# Allegro board MB1167.brd (continued)
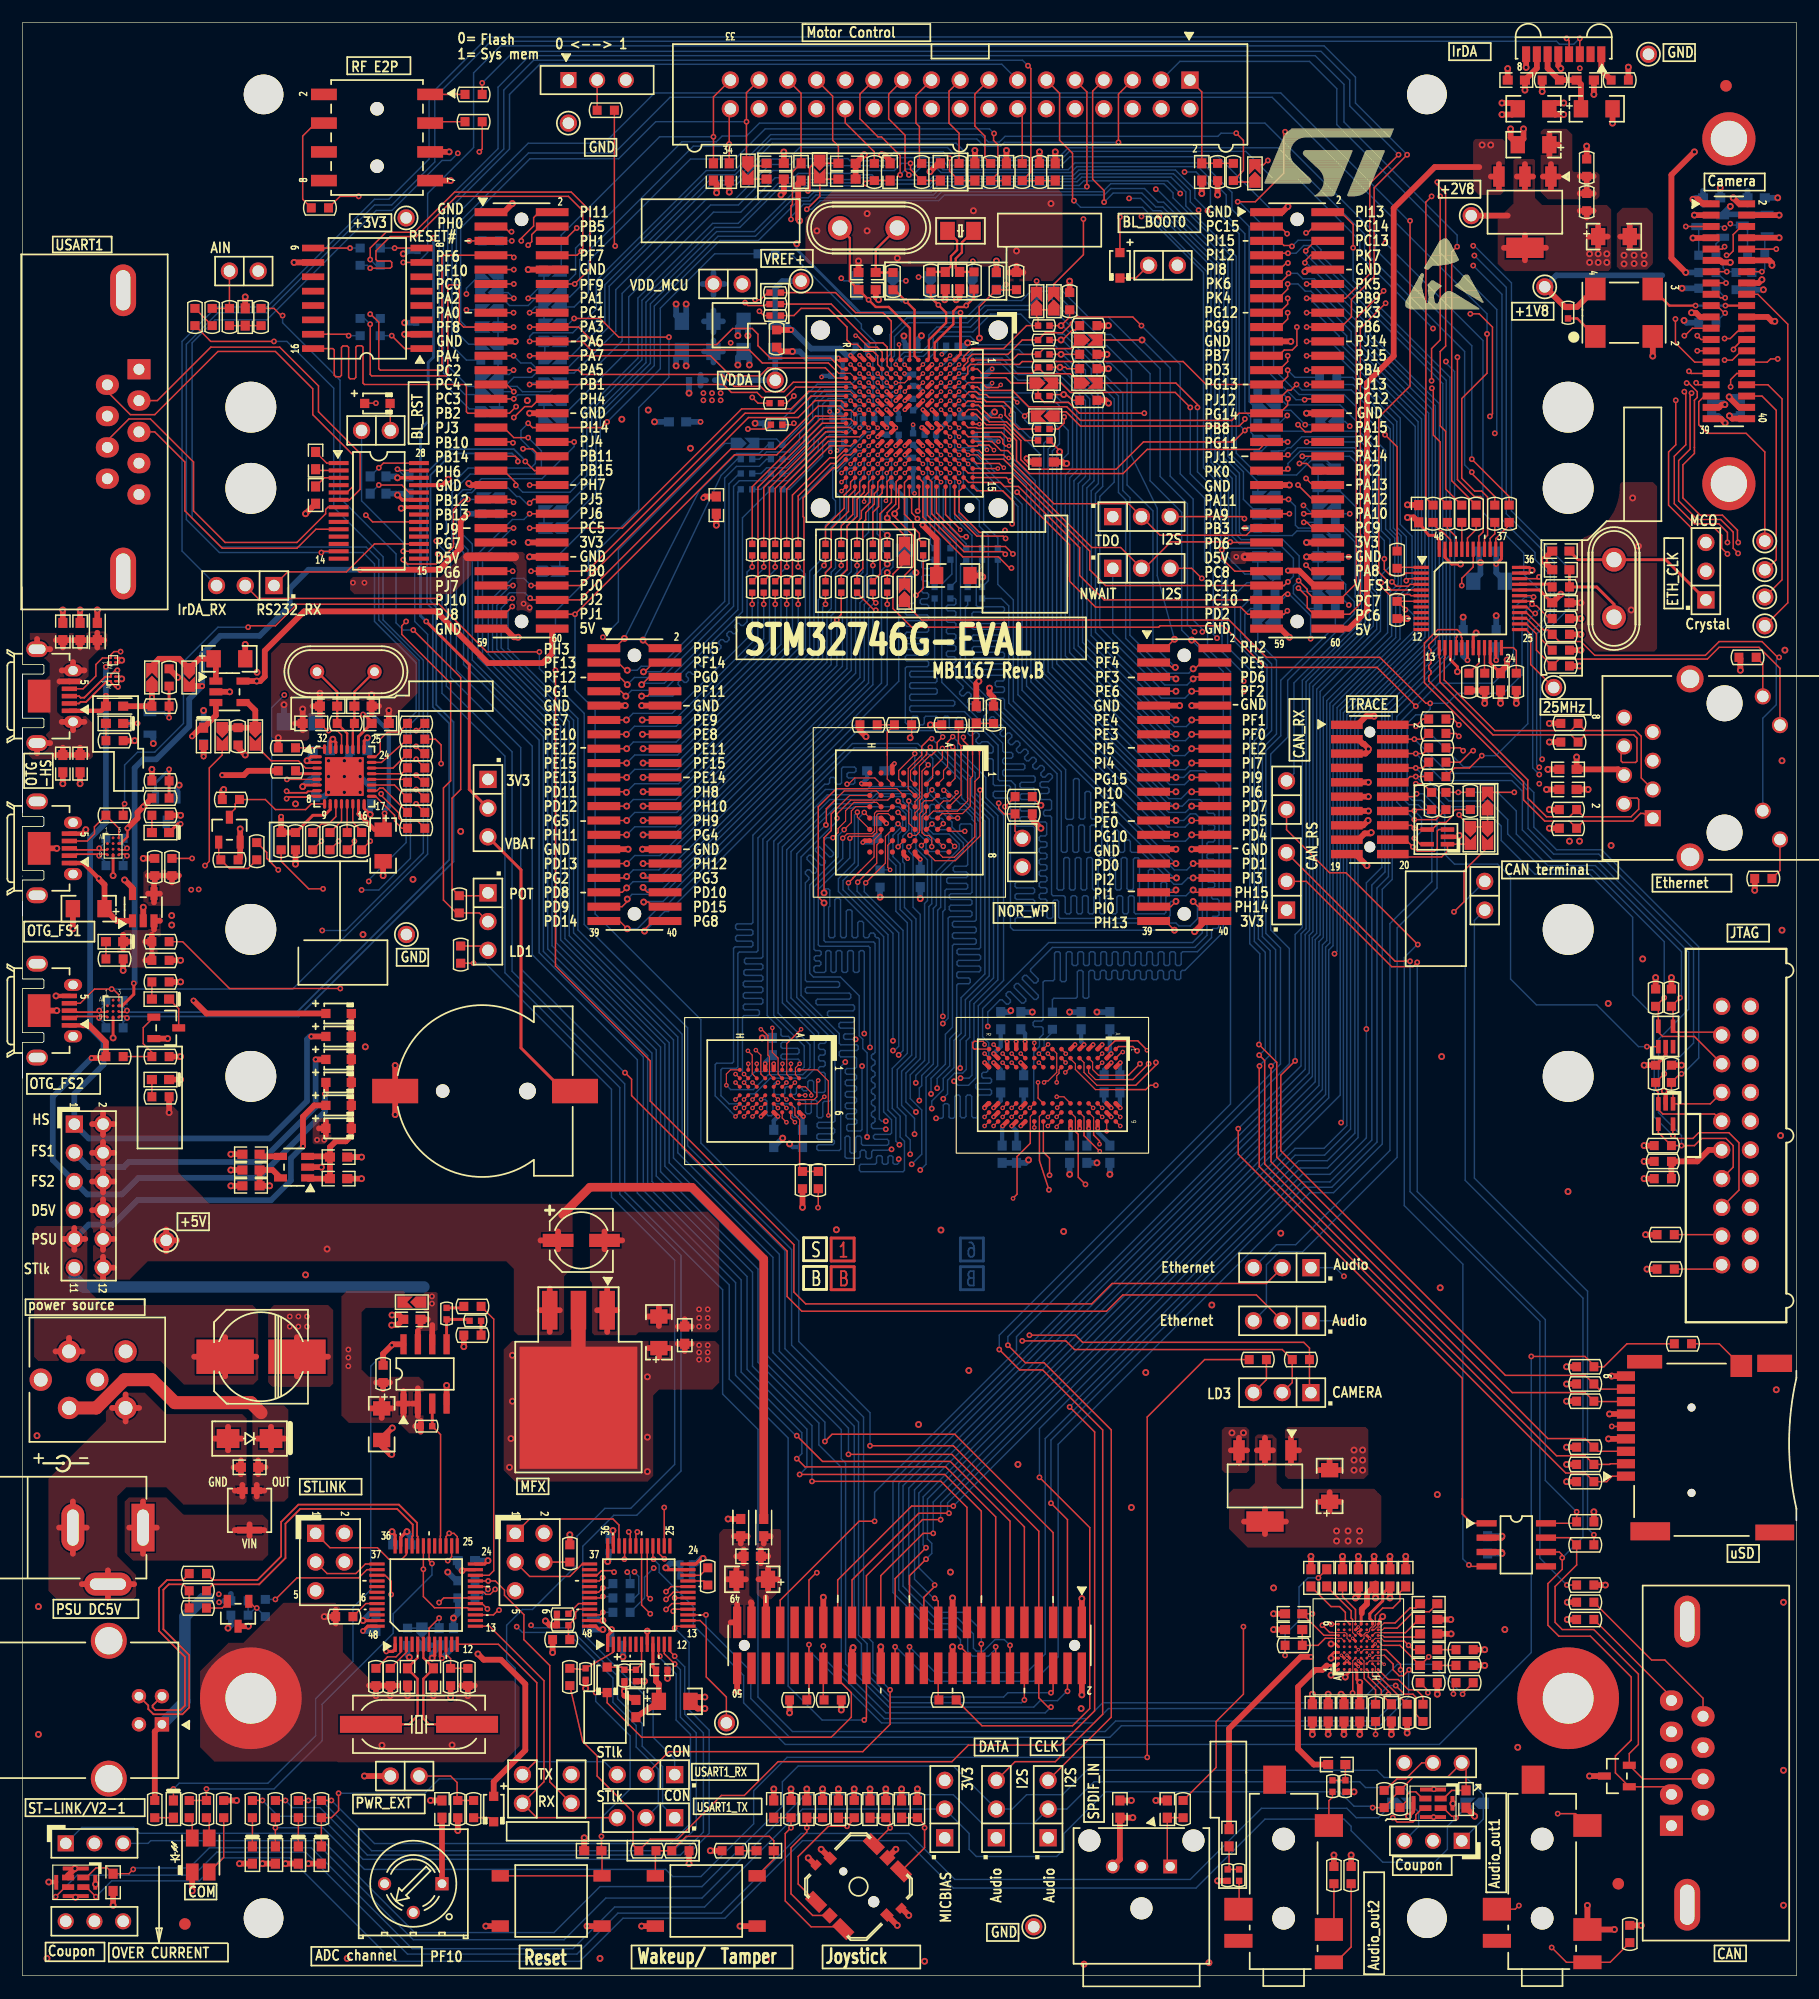
[diagram p0: board, top side]
## Routing (per net, layer and track width the routed paths; a pad name or vN(x,y) marks a point on that pad's centre or on a via; arc(x,y) is an arc through that point) (continued)
NETR47_1: length 2.4
  TOP w0.127: U6.44 127.27,128.51 R47.1
NETR47_2: length 127.9
  TOP w0.127: v1(125.09,158.62) 125.09,158.37 125.83,157.63 125.83,144.12 125.35,143.64 125.35,137.06 125.83,136.58 125.83,131.47 R47.2
  L4_SIG w0.102: v1(125.09,158.62) 103.89,158.62 102.87,157.61 v1(102.36,157.61)
  BOTTOM w0.127: SB55.2 50.7,131.09 50.7,137.78 55.51,142.59 55.51,147.84 61.49,153.83 64.8,153.83 68.2,157.23 69.47,157.23 69.98,157.73 80.34,157.73 80.92,158.32 93.42,158.32 93.83,158.72 101.24,158.72 v1(102.36,157.61)
NETR48_1: length 2.7
  TOP w0.127: R48.1 128.52,127.89 127.76,127.13 127.76,126.15 U6.43
NETR48_2: length 152.3
  TOP w0.127: R48.2 126.36,132.21 126.36,152.43 v1(126.85,152.91)
  BOTTOM w0.127: v1(126.85,152.91) 126.85,153.92 116.84,163.93 116.84,167.26 114.3,169.8 44.83,169.8 42.04,167 42.04,161.57 36.83,156.37 36.83,141.22 39.5,138.56 40.64,138.56
NETR49_1: length 2.6
  TOP w0.127: U6.39 129.77,127.1 130.18,127.51 R49.1
NETR49_2: length 113.6
  TOP w0.127: v1(128.14,132.97) 128.14,132.84 130.18,130.81 R49.2
  BOTTOM w0.127: SB37.1 48.26,143 51.49,146.23 51.49,149.53 60.71,158.75 62.99,158.75 66.29,162.05 82.55,162.05 83.82,160.78 91.59,160.78 92.46,161.65 111.02,161.65 118.67,154 118.67,152.48 127.51,143.64 127.51,133.6 v1(128.14,132.97)
NETR50_1: length 2.9
  TOP w0.127: R50.1 131.44,128.27 130.27,127.09 U6.38
NETR50_2: length 112.3
  TOP w0.127: v1(128.14,134.11) 131.44,130.81 R50.2
  BOTTOM w0.127: v1(128.14,134.11) 128.14,144.15 119.63,152.65 119.63,154.05 109.86,163.83 65.15,163.83 64.01,162.69 61.85,162.69 61.34,162.18 58.29,162.18 48.9,152.78 48.9,150.5 SB29.1
NETR51_1: length 16.8
  TOP w0.127: R51.1 64.52,131.67 70.51,137.67 73.23,137.67 U4.P8
NETR52_1: length 15.4
  TOP w0.127: R52.1 65.53,131.59 70.85,136.91 71.79,136.91 71.8,136.92 73.18,136.92 U4.P9
NETR53_1: length 14.8
  TOP w0.127: R53.1 66.55,131.53 71.11,136.09 74.01,136.09 U4.N9
NETR54_1: length 12.6
  TOP w0.127: R54.1 67.56,131.47 71.38,135.29 73.21,135.29 U4.P10
NETR55_1: length 10.9
  TOP w0.127: R55.1 68.58,130.86 71.45,133.73 71.88,133.73 72.64,134.49 73.22,134.49 U4.P11
NETR56_2: length 7
  TOP w0.127: R56.2 70.99,128.12 72.64,129.77 72.64,130.94 73.21,131.5 73.21,132.09 U4.P14
NETR57_2: length 6.7
  TOP w0.127: R57.2 72.39,128.21 73.41,129.22 73.41,130.68 74.02,131.29 74.02,132.09 U4.N14
NETR58_2: length 5.7
  TOP w0.127: U4.M15 75.21,131.6 75.06,131.44 75.06,130.84 74.93,130.71 74.93,130.3 74.17,129.54 74.17,128.91 73.79,128.52 R58.2
NETR59_1: length 5.4
  TOP w0.127: R59.1 75.18,129.41 75.69,129.92 75.69,130.81 76.01,131.13 U4.L15
NETR60_1: length 7.2
  TOP w0.127: R60.1 v3(76.45,127.38) ; U4.K13 v5(76.41,132.89)
  BOTTOM w0.127: v5(76.41,132.89) 76.41,131.78 75.95,131.32 75.95,127.89 v3(76.45,127.38)
NETR61_1: length 6.7
  TOP w0.127: U4.H14 77.98,132.06 77.98,129.24 78.74,128.48 78.74,128.1 79.3,127.54 79.3,126.95 R61.1
NETR62_1: length 2.2
  TOP w0.127: R62.1 121.62,124.54 U6.1
NETR62_2: length 113.8
  TOP w0.127: v1(120.47,136.27) 121.54,135.2 R62.2
  BOTTOM w0.127: SB41.2 47.77,139.32 53.01,144.56 53.01,148.77 60.83,156.59 63.3,156.59 66.34,159.64 67.97,159.64 68,159.66 68.08,159.66 68.49,160.07 76.63,160.07 77.34,160.78 81.08,160.78 81.76,160.1 91.85,160.1 92.61,160.86 105.71,160.86 110.62,155.96 110.62,142.09 112.88,139.83 116.84,139.83 120.4,136.27 v1(120.47,136.27)
NETR63_1: length 18.6
  TOP w0.127: U4.R8 70.69,137.29 65.02,131.62 65.02,123.83 R63.1
NETR64_1: length 17.3
  TOP w0.127: U4.R9 72.48,136.49 72.44,136.53 71,136.53 66.04,131.56 66.04,123.83 R64.1
NETR65_1: length 15.9
  TOP w0.127: R65.1 67.06,123.83 67.06,131.5 71.24,135.69 U4.R10
NETR66_1: length 14.2
  TOP w0.127: R66.1 68.07,123.83 68.07,130.94 71.37,134.24 72.01,134.24 72.66,134.89 U4.R11
NETR67_1: length 12.8
  TOP w0.127: R67.1 69.09,123.83 69.09,128.96 69.01,129.03 69.01,130.68 71.68,133.35 72.07,133.35 U4.R12
NETR68_2: length 9.5
  TOP w0.127: U4.P15 73.61,131.39 73.03,130.81 73.03,129.49 71.5,127.97 71.5,124.59 70.99,124.08 R68.2
NETR69_2: length 9.2
  TOP w0.127: U4.N15 74.41,131.19 73.79,130.57 73.79,129.07 72.9,128.18 72.9,124.33 72.39,123.83 R69.2
NETR70_1: length 10.1
  TOP w0.127: U4.L14 75.62,132.09 75.62,131.37 75.31,131.06 75.31,130.14 74.55,129.38 74.55,128.75 74.3,128.49 74.3,124.46 73.79,123.95 R70.1
NETR71_1: length 9.1
  TOP w0.127: R71.1 75.82,123.95 75.82,129.29 76.82,130.29 76.82,131.67 U4.K15
NETR72_1: length 12.1
  TOP w0.127: R72.1 v3(76.45,124.08) ; U4.L12 v5(75.61,133.69)
  BOTTOM w0.127: v5(75.61,133.69) 76.04,133.26 76.04,131.94 75.56,131.46 75.56,127.51 76.07,127 76.07,125.98 76.96,125.09 76.96,124.59 v3(76.45,124.08)
NETR73_1: length 3
  TOP w0.254: R73.1 135,123.06 132.39,123.06 U6.33
NETR74_2: length 124.8
  TOP w0.127: U6.7 121.54,121.54 R74.2 v1(122.28,120.8) ; v1(56.73,41.4) U22.26
  L4_SIG w0.102: v1(56.73,41.4) 56.99,41.4 57.62,42.04 73.84,42.04 75.62,43.81 77.83,43.81 114.02,80.01 114.02,88.39 v1(116,90.37)
  BOTTOM w0.127: v1(116,90.37) 116.23,90.6 116.23,112.14 123.04,118.95 123.04,120.29 122.53,120.8 v1(122.28,120.8)
NETR77_1: length 4.4
  TOP w0.127: U6.27 132.97,120.04 134.24,118.77 134.24,118.24 R77.1
NETR80_2: length 4.7
  TOP w0.254: R80.2 R84.1 v1(12.95,111.25)
  BOTTOM w0.254: v1(12.95,111.25) 12.51,111.69 T6.1
NETR81_1: length 2.6
  TOP w0.127: R81.1 128.77,116.07 U6.20
NETR82_1: length 2.3
  TOP w0.127: R82.1 129.27,115.21 U6.21
NETR83_2: length 3.4
  TOP w0.127: R83.2 132.08,117.19 131.83,117.44 U6.24
NETR88_1: length 5.1
  TOP w0.127: U8.24 31.21,107.8 31.62,108.2 31.62,109.35 32.26,109.98 33.27,109.98 R88.1
NETR90_1: length 7.2
  TOP w0.102: U9.F2 76.45,105.83 76.45,107.95
  TOP w0.127: R90.1 R91.1 76.45,109.98 76.45,107.95
NETR94_2: length 5.8
  TOP w0.508: U7.4 19.87,112.59 20.57,111.89 SB15.2 R94.2 SB14.2
NETR95_1: length 3.9
  TOP w0.127: U8.23 31.73,107.29 R95.1
NETR98_2: length 2.6
  TOP w0.127: R98.2 26.58,108.58 U8.32
NETR100_1: length 3.7
  TOP w0.127: U8.22 32.75,106.8 R100.1
NETR102_1: length 3.4
  TOP w0.127: R102.1 33.52,106.29 U8.21
NETR103_1: length 2
  TOP w0.254: U8.4 24.39,106.29 R103.1
NETR105_2: length 5.5
  TOP w0.254: v1(12.95,106.68) R105.2 R108.2
  BOTTOM w0.254: T7.1 11.75,105.48 v1(12.95,106.68)
NETR106_1: length 3.3
  TOP w0.127: U8.20 33.78,105.8 R106.1
NETR107_1: length 61.7
  TOP w0.102: v4(82.68,102.37) U9.A5 ; v5(63.79,76.73) U14.G5
  TOP w0.127: v1(86.87,103.38) R107.1
  L4_SIG w0.102: v1(86.87,103.38) 86.48,102.99 83.31,102.99 82.68,102.37 v4(82.68,102.37)
  BOTTOM w0.127: v4(82.68,102.37) 82.34,102.37 80,104.7 80,105.66 80.48,106.14 80.48,107.63 79.15,108.97 73.38,108.97 65.02,100.61 65.02,90.65 64.89,90.53 63.37,90.53 63.25,90.4 63.25,80.37 63.12,80.24 61.87,80.24 61.75,80.11 61.75,77.83 62.47,77.1 63.42,77.1 v5(63.79,76.73)
NETR109_1: length 3.6
  TOP w0.127: U8.19 32.88,105.29 R109.1
NETR110_2: length 10
  TOP w0.127: T1.3 18.29,102.7 18.8,103.21 18.8,103.63 R110.2 21.46,104.01 22.35,103.12 25.03,103.12 25.53,103.62 U8.9
NETR115_1: length 4.2
  TOP w0.127: R115.1 31.88,105.03 31.58,105.03 31.34,104.8 U8.18
NETR119_1: length 4.6
  TOP w0.127: R119.1 33.53,101.47 32.89,102.11 32.89,102.62 31.21,104.29 U8.17
NETR121_1: length 99.3
  TOP w0.127: U22.29 55.23,33.59 55.49,33.34 v1(55.5,33.34) ; v1(26.57,96.11) 25.3,96.11 22.86,98.55 R121.1
  L4_SIG w0.102: v1(26.57,96.11) 26.57,95.73 28.8,93.5 28.8,65.18 32.05,61.93 32.05,36.91 34.7,34.26 37.85,34.26 41.68,30.43 48.46,30.43 51.05,33.02 52.13,33.02 52.45,33.34 v1(55.5,33.34)
NETR123_1: length 3.8
  TOP w0.127: U8.11 27.7,102.5 27.05,101.85 26.42,101.85 R123.1
NETR124_1: length 3
  TOP w0.127: U8.12 28.2,102.11 R124.1
NETR125_1: length 2.5
  TOP w0.127: R125.1 28.7,101.1 U8.13
NETR126_1: length 2.9
  TOP w0.127: R126.1 29.97,101.22 29.2,101.99 U8.14
NETR127_1: length 5.5
  TOP w0.127: R127.1 19.94,97.92 18.29,97.92 R128.2 17.34,98.87 T1.1
NETR129_2: length 6.2
  TOP w0.508: R130.1 13.82,97.28 ; R130.1 12.6,97.28 ; R130.1 13.21,96.68 ; U11.4 12.14,95.69 ; U11.4 11.62,96.46 ; U11.4 11.62,94.91 ; U11.4 11.1,95.69 ; R129.2 12.29,97.28 ; R129.2 11.68,96.68 ; R129.2 11.07,97.28
NETR130_2: length 106.7
  TOP w0.127: U22.17 57.42,32.9 v1(56.9,32.38) ; R130.2 v1(14.99,98.81)
  L4_SIG w0.102: v1(14.99,98.81) 22.73,98.81 28.52,93.01 28.52,65.06 31.72,61.86 31.72,36.84 34.53,34.04 37.69,34.04 41.63,30.1 52.3,30.1 55.11,32.9 56.38,32.9 v1(56.9,32.38)
NETR132_1: length 100.6
  TOP w0.127: U22.16 57.71,32.41 57.53,32.23 v1(57.52,32.23) ; R132.1 14.15,91.44 18.29,87.3 v1(28.09,87.3)
  L4_SIG w0.102: v1(28.09,87.3) 28.22,87.17 28.22,64.95 31.39,61.77 31.39,36.81 34.45,33.76 37.57,33.76 41.5,29.82 52.63,29.82 55.32,32.51 56.01,32.51 56.64,31.88 57.17,31.88 v1(57.52,32.23)
NETR138_2: length 6.7
  TOP w0.127: R138.2 R139.2 11.43,81.66 10.67,82.42 10.67,83.84 T2.1
NETR146_1: length 7.8
  TOP w0.102: U14.B5 68.29,76.73 68.29,76.11 68.71,75.69 68.71,73.66
  TOP w0.127: R147.1 R146.1 68.71,71.37 68.71,73.66
NETR150_2: length 1.6
  TOP w0.254: R151.1 38.89,59.05 R150.2
NETR151_2: length 4.3
  TOP w0.254: R152.2 39.4,58.04 37.49,58.04 U17.5
NETR152_1: length 1.3
  TOP w0.254: R153.2 R152.1
NETR154_1: length 131.9
  TOP w0.127: R154.1 141.86,55.88 139.83,53.85 R155.1 138.94,53.98 138.15,54.76 v1(133.4,54.76) ; v1(55.78,36.83) 55.73,36.88 U22.28
  BOTTOM w0.127: v1(55.78,36.83) 56.29,36.32 56.29,35.66 59.31,32.64 59.31,30.99 63.75,26.54 63.75,24.13 67.44,20.45 125.27,20.45 133.4,28.57 v1(133.4,54.76)
NETR167_1: length 1.9
  TOP w0.127: U22.21 60.22,34.9 R167.1
NETR167_2: length 2
  TOP w0.127: R167.2 59.92,35.41 U22.22
NETR171_2: length 2.2
  TOP w0.127: T3.2 18.1,32.96 17.65,32.51 R171.2
NETR172_1: length 2.2
  TOP w0.127: U22.44 49.16,32.9 R172.1
NETR173_2: length 2.6
  TOP w0.127: R173.2 29.21,31.76 30.35,32.9 U21.44
NETR175_1: length 4.1
  TOP w0.127: U22.45 49.17,32.41 48.9,32.13 48.9,31.62 R175.1 48.26,29.84 R176.1
NETR180_1: length 5.1
  TOP w0.127: U22.2 52.23,28.61 R181.2 49.78,27.05 R180.1
NETR184_2: length 3.5
  TOP w0.127: R184.2 31.25,27.18 32.27,28.19 33.02,28.19 33.44,28.61 U21.2
NETR185_2: length 2.7
  TOP w0.127: R185.2 33.94,28.6 U21.3
NETR188_1: length 12.1
  TOP w0.089: U23.D4 117.86,28.58 118.11,28.83 v2(118.11,28.83) U23.D5
  TOP w0.127: R188.1 124.26,25.22 v1(124.26,25.02)
  L4_SIG w0.102: v1(124.26,25.02) 122.96,25.02 121.97,24.03 120.09,24.03 118.72,25.4 118.72,27.72 118.11,28.33 v2(118.11,28.83)
NETR189_2: length 13.2
  TOP w0.089: U23.F3 v2(119.11,28.33)
  TOP w0.127: R189.2 126.52,25.68 v1(126.52,24.92)
  L4_SIG w0.089: v2(119.11,28.33) 119.11,26.67
  L4_SIG w0.102: v1(126.52,24.92) 125.32,26.11 123.27,26.11 121.56,24.41 120.47,24.41 119.11,25.77 119.11,26.67
NETR193_1: length 4.6
  TOP w0.089: U23.E3 118.61,27.83 118.61,26.69 118.63,26.67
  TOP w0.127: 118.63,26.67 118.63,26.28 119.63,25.27 R193.1
NETR194_2: length 4.9
  TOP w0.089: 119.89,26.67 119.61,26.94 119.61,27.33 U23.G2
  TOP w0.127: R194.2 119.89,26.54 119.89,26.67
NETR195_2: length 5.6
  TOP w0.127: R195.2 123.83,24.69 123.24,25.27 122.56,25.27 121.64,26.19 120.76,26.19 U23.H1
NETR199_1: length 3.4
  TOP w0.127: U24.2 123.78,15.66 123.19,16.26 122.68,16.26 122.43,16 122.43,15.49 R199.1
NETR204_1: length 64.2
  TOP w0.127: U22.13 57.83,30.9 v1(57.66,30.73) ; R204.1 v1(21.21,15.49)
  BOTTOM w0.127: v1(21.21,15.49) 22.61,14.1 26.29,14.1 30.1,10.29 58.42,10.29 60.71,12.57 60.71,21.72 58.93,23.5 58.93,29.46 v1(57.66,30.73)
NETR205_1: length 58.5
  TOP w0.127: U22.12 57.23,28.68 v1(57.66,28.25) ; R205.1 v1(23.24,15.49)
  BOTTOM w0.127: v1(23.24,15.49) 23.88,14.86 26.29,14.86 30.48,10.67 58.17,10.67 60.2,12.7 60.2,21.46 58.55,23.11 58.55,27.3 57.66,28.19 v1(57.66,28.25)
NETR206_1: length 55.3
  TOP w0.127: R206.1 v1(25.27,15.49) ; U22.11 56.73,28.48 v1(57.66,27.56)
  BOTTOM w0.127: v1(57.66,27.56) 58.17,27.05 58.17,22.86 59.56,21.46 59.56,13.08 57.53,11.05 30.86,11.05 26.42,15.49 v1(25.27,15.49)
NETR207_1: length 52
  TOP w0.127: U22.10 56.23,28.36 v1(56.35,28.25) ; R207.1 v1(27.3,15.49)
  BOTTOM w0.127: v1(27.3,15.49) 31.11,11.68 57.28,11.68 59.05,13.46 59.05,21.34 57.78,22.61 57.78,26.67 56.35,28.11 v1(56.35,28.25)
NETR225_2: length 19.5
  TOP w0.102: U4.H3 77.99,140.87 v5(77.22,140.87)
  BOTTOM w0.127: v5(77.22,140.87) 77.22,140.77 76.94,140.49 76.29,140.49 76.04,140.73 76.04,141.03 75.75,141.32 75.46,141.32 75.18,141.59 75.18,142.75 75.44,143 75.44,144.41 75.07,144.78 75.06,144.78 74.17,145.67 74.17,146.05 67.94,152.27 R225.2
NETR227_1: length 3.7
  TOP w0.127: U3.8 v1(32.89,152.78)
  BOTTOM w0.127: R227.1 v1(32.89,152.78)
NETR228_2: length 4.2
  TOP w0.127: v1(28.96,152.78) U3.9
  BOTTOM w0.127: R228.2 v1(28.96,152.78)
NETR232_1: length 18.3
  TOP w0.127: v5(76.41,141.69) U4.K3
  BOTTOM w0.127: R232.1 89.03,147.7 85.09,147.7 83.57,146.18 78.33,146.18 77.09,144.94 77.09,143.26 76.81,142.98 76.81,142.09 v5(76.41,141.69)
NETR233_1: length 15.9
  TOP w0.127: v5(77.21,142.49) U4.J2
  BOTTOM w0.127: v5(77.21,142.49) 77.21,142.84 77.93,143.56 79.46,143.56 80.14,144.23 80.14,145.1 80.84,145.8 83.82,145.8 85.34,147.32 89.66,147.32 R233.1
NETR236_1: length 15.7
  TOP w0.127: v5(77.99,142.46) 78.36,142.09 U4.H2
  BOTTOM w0.127: R236.1 89.28,145.92 88.27,146.94 85.6,146.94 84.02,145.36 80.94,145.36 80.52,144.94 80.52,144.08 79.65,143.21 78.05,143.21 77.85,143 77.85,142.6 v5(77.99,142.46)
NETR237_1: length 4.1
  TOP w0.127: v1(32.64,145.03) 33.78,143.89 U3.1
  BOTTOM w0.127: v1(32.64,145.03) R237.1
NETR238_2: length 4.2
  TOP w0.127: U3.15 28.7,145.16 v1(28.83,145.03)
  BOTTOM w0.127: R238.2 v1(28.83,145.03)
NETR239_1: length 12.9
  TOP w0.127: v5(79.61,142.49) U4.G2
  BOTTOM w0.127: v5(79.61,142.49) 79.61,142.5 80.9,143.79 80.9,144.78 81.09,144.97 83.8,144.97 84.14,144.64 84.14,144.59 84.5,144.23 89.37,144.23 R239.1
NETR240_1: length 9.9
  TOP w0.127: v5(81.21,142.49) U4.E2
  BOTTOM w0.127: R240.1 88.52,143.38 88.09,143.81 84.14,143.81 83.64,143.31 82.6,143.31 82.19,142.9 81.86,142.9 81.45,142.49 v5(81.21,142.49)
NETR241_2: length 145.2
  TOP w0.127: v1(122.68,155.19) 122.68,140.59 119.91,137.82 119.91,124.13 120.62,123.42 120.62,122.96 121.04,122.54 U6.5
  BOTTOM w0.127: v1(122.68,155.19) 122.56,155.19 111.25,166.5 55.88,166.5 51.44,162.05 44.7,162.05 37.97,155.32 37.97,144.15 39.24,142.88 R241.2
NETR242_1: length 9.2
  TOP w0.127: v5(82.01,142.49) U4.D2
  BOTTOM w0.127: v5(82.01,142.49) 82.24,142.49 82.78,143.03 83.72,143.03 84.12,143.43 86.82,143.43 88.01,142.24 R242.1
NETR243_2: length 22.7
  TOP w0.127: v1(122.35,123.37) 122.53,123.54 U6.3
  BOTTOM w0.127: v1(122.35,123.37) 122.35,127.25 121.51,128.09 121.51,137.44 117.6,141.35 R243.2
NETR244_2: length 28.3
  TOP w0.127: U6.4 122.68,123.04 122.52,122.89 121.46,122.89 v1(121.08,123.27)
  BOTTOM w0.127: v1(121.08,123.27) 121.34,123.52 121.34,127.13 120.52,127.94 120.52,134.87 116.48,138.91 111.77,138.91 111.23,139.45 109.84,139.45 109.22,140.07 R244.2
NETR245_2: length 9.1
  TOP w0.127: v5(82.01,140.89) U4.D4
  BOTTOM w0.127: v5(82.01,140.89) 82.4,141.27 83.13,141.27 84.44,139.97 89.4,139.97 R245.2
NETR246_2: length 10.2
  TOP w0.127: v5(81.21,140.89) U4.E4
  BOTTOM w0.127: v5(81.21,140.89) 81.63,140.46 83.06,140.46 83.93,139.59 88.05,139.59 89.33,138.3 R246.2
NETR247_1: length 28.3
  TOP w0.127: v1(120.14,123.19) 120.14,122.83 120.83,122.15 122.66,122.15 122.76,122.04 U6.6
  BOTTOM w0.127: v1(120.14,123.19) 120.14,123.88 120.9,124.64 120.9,127.02 120.14,127.78 120.14,134.62 118.17,136.59 109.92,136.59 R247.1
NETR248_2: length 10.8
  TOP w0.102: U4.D5 v5(82.01,140.09)
  TOP w0.127: 89.53,138.3 88.99,138.3 v1(88.61,137.92)
  BOTTOM w0.127: R248.2 89.03,137.16 88.61,137.58 v1(88.61,137.92) 88.6,137.92 87.32,139.2 83.43,139.2 82.93,139.7 82.4,139.7 v5(82.01,140.09)
NETR249_2: length 11.8
  TOP w0.127: v5(75.61,140.09) U4.L5
  BOTTOM w0.127: v5(75.61,140.09) 75.61,140.34 75.23,140.72 75.23,141.02 74.96,141.3 73.86,141.3 73.3,140.74 70.26,140.74 67.31,137.79 R249.2
NETR250_2: length 10.2
  TOP w0.127: v5(82.01,139.29) U4.D6
  BOTTOM w0.127: R250.2 89.06,136.02 87.77,137.3 87.77,138.21 87.16,138.82 83.17,138.82 83.08,138.91 82.38,138.91 v5(82.01,139.29)
NETR251_2: length 17.3
  TOP w0.127: v5(77.24,140.08) 77.61,140.45 U4.J4
  BOTTOM w0.127: SB47.1 65.02,135.89 66.67,135.89 R251.2 69.47,137.67 69.47,139.32 70.64,140.49 74.96,140.49 75.18,140.26 75.18,139.95 75.44,139.7 76.56,139.7 76.94,140.08 v5(77.24,140.08)
NETR252_2: length 24.2
  TOP w0.127: v1(120.41,125.3) 120.41,124.37 120.95,123.83 122.08,123.83 122.3,124.04 U6.2
  BOTTOM w0.127: v1(120.41,125.3) 120.41,126.91 119.76,127.56 119.76,134.24 117.91,136.09 113.11,136.09 112.14,135.13 111.84,135.13 111.56,134.85 111.1,134.85 R252.2
NETR253_1: length 11.4
  TOP w0.127: v5(74.01,139.29) U4.N6
  BOTTOM w0.127: v5(74.01,139.29) 73.77,139.29 73.2,139.85 71.09,139.85 70.36,139.12 70.36,138.81 70.36,137.44 69.09,136.17 69.09,135.41 67.79,134.11 R253.1
NETR254_2: length 21
  TOP w0.127: v5(77.21,141.69) U4.J3
  BOTTOM w0.127: v5(77.21,141.69) 77.62,141.27 77.62,139.9 77.43,139.71 77.03,139.71 76.83,139.52 76.83,139.09 76.63,138.89 75.46,138.89 75.21,139.14 75.21,139.47 74.98,139.7 73.81,139.7 73.28,140.23 70.93,140.23 69.86,139.17 69.86,137.55 68.69,136.39 68.69,135.62 67.82,134.75 65.79,134.75 65.15,134.11 R254.2
NETR255_1: length 11.9
  TOP w0.127: v5(74.81,139.29) U4.M6
  BOTTOM w0.127: v5(74.81,139.29) 74.38,138.86 73.86,138.86 73.28,138.28 73.28,137.32 72.99,137.03 71.06,137.03 69.98,135.95 69.98,135.13 67.69,132.84 R255.1
NETR256_1: length 13.5
  TOP w0.127: v5(73.21,139.29) U4.P6
  BOTTOM w0.102: v5(73.21,139.29) 73.03,139.47 71.63,139.47
  BOTTOM w0.127: 71.63,139.47 71.25,139.47 70.74,138.96 70.74,137.29 69.47,136.02 69.47,135.25 67.56,133.35 65.79,133.35 65.28,132.84 R256.1
NETR257_1: length 12.3
  TOP w0.127: v5(74.81,138.49) U4.M7
  BOTTOM w0.127: R257.1 67.82,131.44 70.74,134.37 70.74,135.64 71.37,136.27 72.87,136.27 73.79,137.19 73.79,137.95 73.95,138.11 74.44,138.11 v5(74.81,138.49)
NETR258_1: length 14
  TOP w0.127: v5(74.01,138.49) U4.N7
  BOTTOM w0.127: v5(74.01,138.49) 73.97,138.49 73.53,138.05 73.53,137.25 72.93,136.65 71.22,136.65 70.36,135.79 70.36,134.87 67.69,132.21 66.04,132.21 65.28,131.44 R258.1
NETR262_1: length 7.8
  TOP w0.127: v5(74.81,133.69) U4.M12
  BOTTOM w0.127: v5(74.81,133.69) 74.85,133.69 75.18,133.35 75.18,130.73 75.19,130.72 75.19,130.72 75.18,130.71 R262.1
NETR263_1: length 8.9
  TOP w0.127: v5(74.81,134.49) U4.M11
  BOTTOM w0.127: R263.1 73.79,128.52 74.02,128.75 74.02,132.31 74.42,132.72 74.42,134.1 v5(74.81,134.49)
NETR264_1: length 9.2
  TOP w0.127: v5(74.01,134.49) U4.N11
  BOTTOM w0.127: R264.1 72.39,128.4 72.84,128.85 72.84,133.04 73.12,133.32 73.36,133.32 73.64,133.6 73.64,134.12 v5(74.01,134.49)
NETR265_2: length 10.8
  TOP w0.127: v5(74.01,135.29) U4.N10
  BOTTOM w0.127: v5(74.01,135.29) 73.82,135.29 71.63,133.1 71.63,130.68 71.88,130.43 71.88,129.16 70.99,128.27 R265.2
NETR266_1: length 14.1
  TOP w0.102: U4.M8 75.21,137.29 v5(75.61,136.89)
  BOTTOM w0.127: R266.1 68.58,130.43 74.67,136.52 75.24,136.52 v5(75.61,136.89)
NETR267_1: length 9.1
  TOP w0.127: v5(83.61,133.69) U4.B12
  BOTTOM w0.127: v5(83.61,133.69) 84.05,133.24 84.05,131.85 84.98,130.92 84.98,128.41 86.23,127.15 R267.1
NETR268_2: length 7.3
  TOP w0.127: v5(82.81,132.09) U4.C14
  BOTTOM w0.127: R268.2 84.84,127.13 82.81,129.15 v5(82.81,132.09)
NETR269_2: length 7
  TOP w0.127: v5(82.01,132.09) U4.D14
  BOTTOM w0.127: R269.2 83.44,126.62 82.01,128.05 v5(82.01,132.09)
NETR270_2: length 6.9
  TOP w0.127: v5(81.21,132.09) U4.E14
  BOTTOM w0.127: v5(81.21,132.09) 81.03,131.9 81.03,127.76 82.04,126.75 R270.2
NETR271_2: length 8.6
  TOP w0.127: v5(81.21,133.69) U4.E12
  BOTTOM w0.127: R271.2 80.26,126.62 80.26,132.21 80.8,132.74 80.8,133.27 v5(81.21,133.69)
NETR272_1: length 10.6
  TOP w0.127: v5(74.81,132.89) U4.M13
  BOTTOM w0.127: R272.1 73.79,123.61 74.3,124.11 74.3,127.13 74.8,127.64 74.8,130.56 74.82,130.57 74.82,132.88 v5(74.81,132.89)
NETR273_1: length 11.6
  TOP w0.127: v5(74.01,133.69) U4.N12
  BOTTOM w0.127: R273.1 72.39,123.92 72.9,124.43 72.9,128.27 73.58,128.95 73.58,133.14 74.01,133.57 v5(74.01,133.69)
NETR274_1: length 14.7
  TOP w0.127: v5(74.81,135.29) U4.M10
  BOTTOM w0.127: R274.1 70.99,124.14 71.5,124.65 71.5,128.14 72.26,128.91 72.26,130.81 71.88,131.19 71.88,132.88 73.88,134.87 74.4,134.87 v5(74.81,135.29)
NETR276_1: length 12.7
  TOP w0.127: v5(82.81,133.69) U4.C12
  BOTTOM w0.127: R276.1 85.39,123.37 85.39,127.38 84.6,128.18 84.6,130.42 83.19,131.83 83.19,133.31 v5(82.81,133.69)
NETR277_2: length 11.6
  TOP w0.127: v5(82.81,132.89) U4.C13
  BOTTOM w0.127: v5(82.81,132.89) 82.42,132.5 82.42,128.91 83.95,127.38 83.95,123.19 R277.2
NETR278_2: length 11.6
  TOP w0.127: v5(82.01,132.89) U4.D13
  BOTTOM w0.127: v5(82.01,132.89) 81.64,132.51 81.64,131.67 81.41,131.44 81.41,128.02 82.55,126.87 82.55,123.32 R278.2
NETR279_2: length 11.3
  TOP w0.127: v5(81.21,132.89) U4.E13
  BOTTOM w0.127: R279.2 80.64,123.19 81.15,123.7 81.15,127 80.64,127.51 80.64,132.21 81.21,132.77 v5(81.21,132.89)
NETR285_1: length 3.7
  TOP w0.102: v5(76.71,97.79) 76.5,97.99 76.5,99.97 U9.F7
  BOTTOM w0.102: R285.1 v5(76.71,97.79)
NETR287_1: length 3.2
  TOP w0.102: v5(89.86,81.53) U13.J2
  BOTTOM w0.102: 90.41,82.79 90.32,82.7 90.32,81.99 v5(89.86,81.53)
  BOTTOM w0.127: R287.1 91.06,83.44 90.41,82.79
NETR290_2: length 2.4